# KiCad board vme-wren.kicad_pcb (continued)
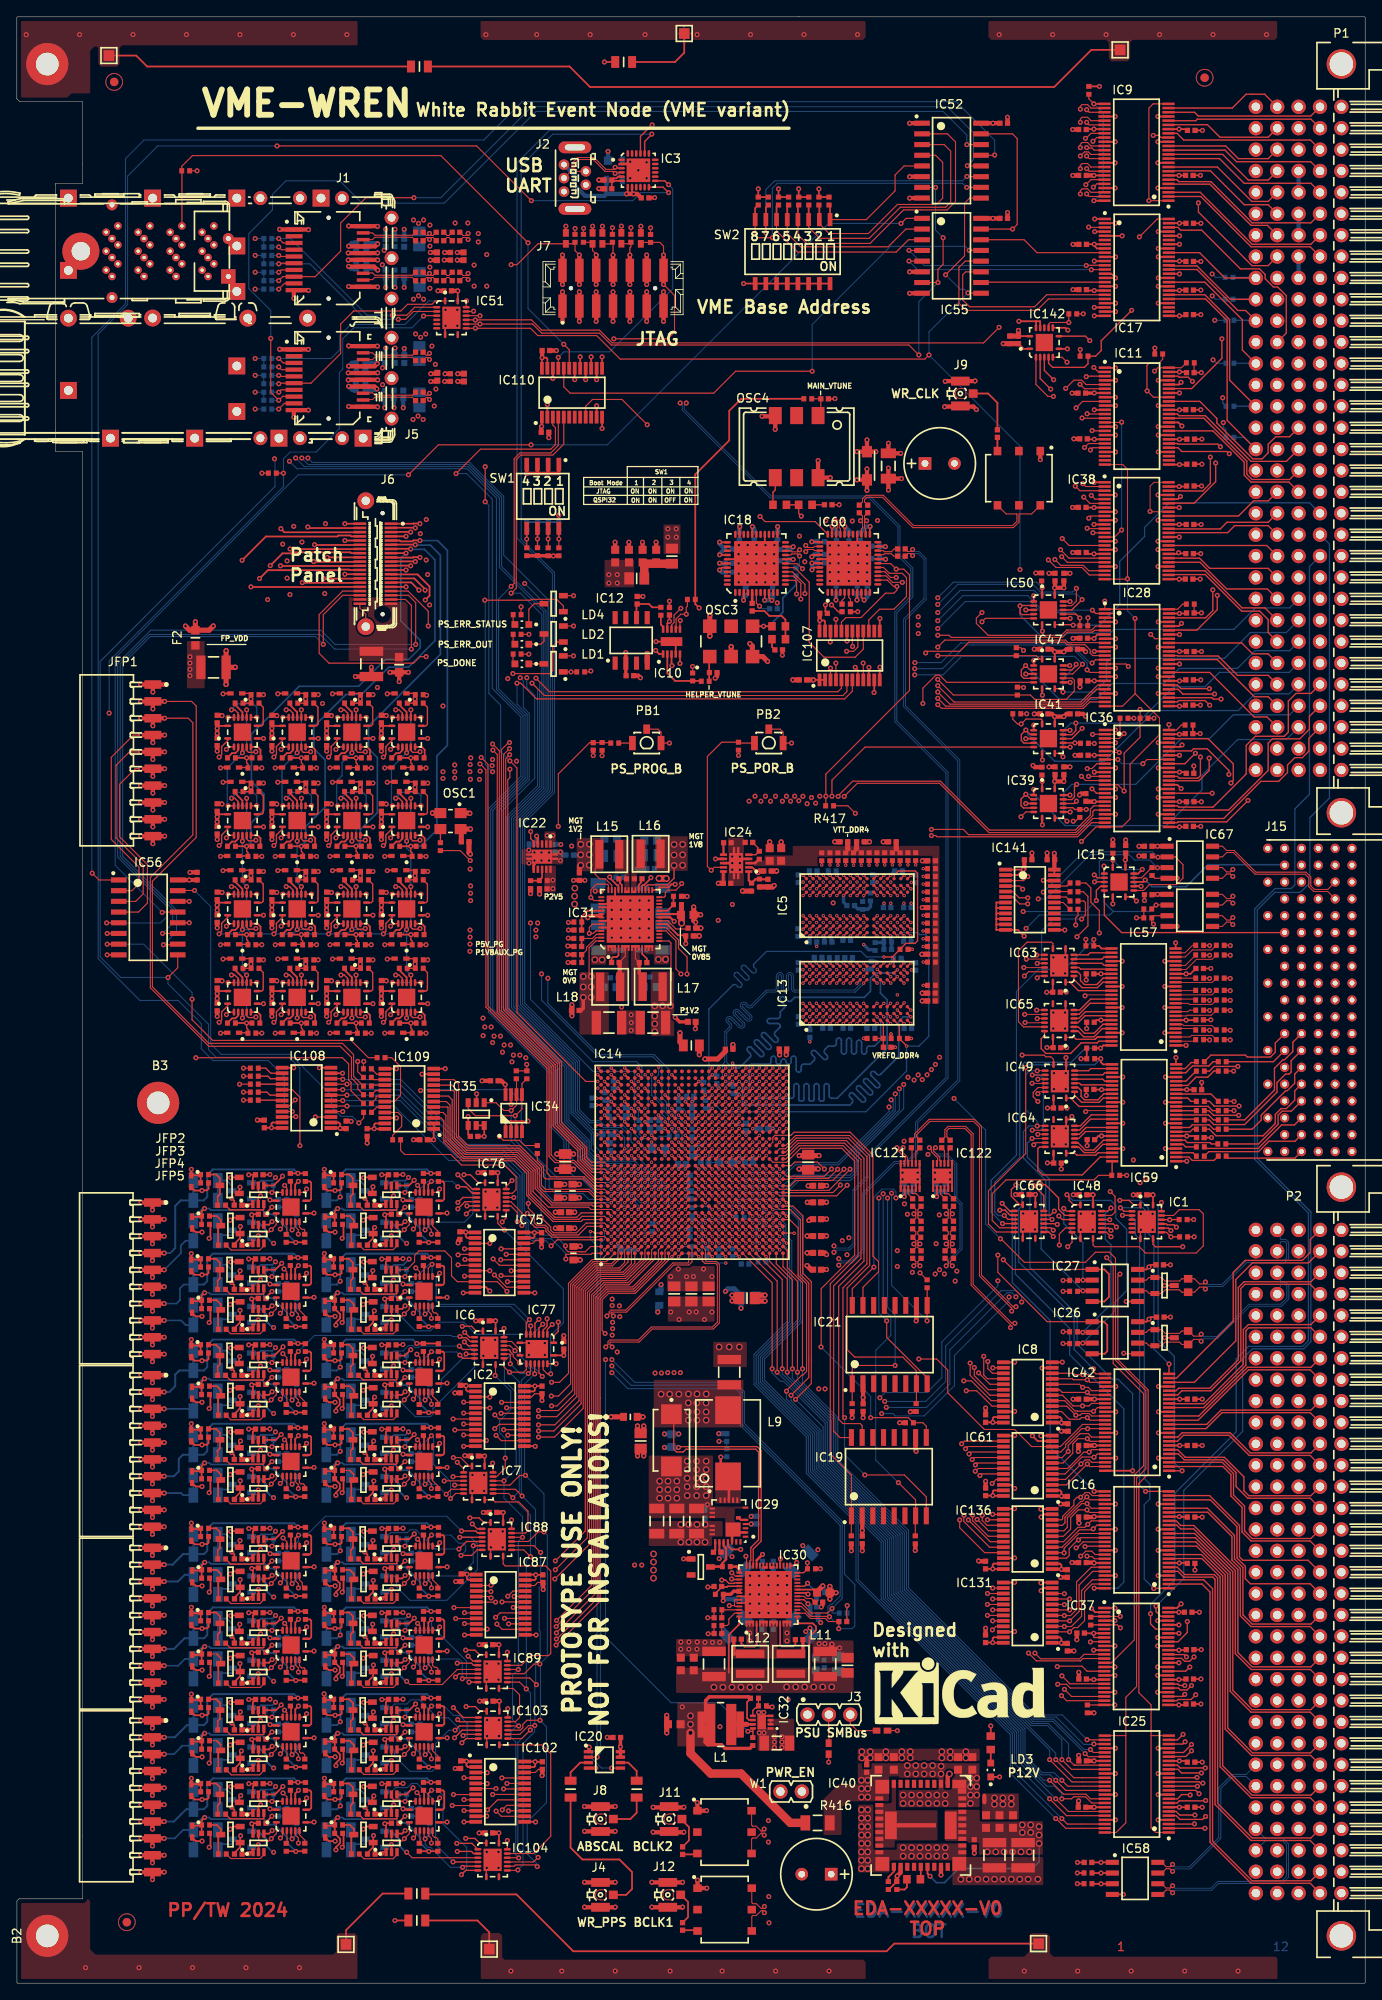
[diagram p0: board, top side]
## Routing (per net, layer and track width the routed paths; a pad name or vN(x,y) marks a point on that pad's centre or on a via; arc(x,y) is an arc through that point) (continued)
Net-(IC132-1Y): length 2.1
  Top Layer w0.2: IC132.3 39.29,125.39 38.95,125.05 38.56,125.05 38.02,124.51 R536.1
Net-(IC132-2Y): length 2.3
  Top Layer w0.2: IC132.6 41.59,125.79 41.93,125.45 41.93,124.57 R537.1
Net-(IC132-3Y): length 3.5
  Top Layer w0.15: R538.1 42.26,130.49 42.26,128.46 42.09,128.29 IC132.8
Net-(IC132-4Y): length 2.1
  Top Layer w0.2: R539.1 38.92,130.79 39.79,129.92 IC132.11
Net-(IC133-1Y): length 2.1
  Top Layer w0.2: IC133.3 45.79,125.39 45.45,125.05 45.06,125.05 44.52,124.51 R542.1
Net-(IC133-2Y): length 2.3
  Top Layer w0.2: IC133.6 48.09,125.79 48.43,125.45 48.43,124.57 R543.1
Net-(IC133-3Y): length 3.5
  Top Layer w0.15: R544.1 48.76,130.49 48.76,128.46 48.59,128.29 IC133.8
Net-(IC133-4Y): length 2.1
  Top Layer w0.2: IC133.11 46.29,129.92 45.42,130.79 R545.1
Net-(IC134-1Y): length 2.1
  Top Layer w0.2: R548.1 25.02,124.51 25.56,125.05 25.95,125.05 26.29,125.39 IC134.3
Net-(IC134-2Y): length 2.3
  Top Layer w0.2: R549.1 28.93,124.57 28.93,125.45 28.59,125.79 IC134.6
Net-(IC134-3Y): length 3.5
  Top Layer w0.15: IC134.8 29.09,128.29 29.26,128.46 29.26,130.49 R550.1
Net-(IC134-4Y): length 2.1
  Top Layer w0.2: IC134.11 26.79,129.92 25.92,130.79 R551.1
Net-(IC135-1Y): length 2.1
  Top Layer w0.2: IC135.3 32.79,125.39 32.45,125.05 32.06,125.05 31.52,124.51 R554.1
Net-(IC135-2Y): length 2.3
  Top Layer w0.2: R555.1 35.43,124.57 35.43,125.45 35.09,125.79 IC135.6
Net-(IC135-3Y): length 3.5
  Top Layer w0.15: R556.1 35.76,130.49 35.76,128.46 35.59,128.29 IC135.8
Net-(IC135-4Y): length 2.1
  Top Layer w0.2: R557.1 32.42,130.79 33.29,129.92 IC135.11
Net-(IC137-1Y): length 2.1
  Top Layer w0.2: IC137.3 26.29,146.39 25.95,146.05 25.56,146.05 25.02,145.51 R560.1
Net-(IC137-2Y): length 2.3
  Top Layer w0.2: IC137.6 28.59,146.79 28.93,146.44 28.93,145.56 R561.1
Net-(IC137-3Y): length 3.5
  Top Layer w0.15: IC137.8 29.09,149.29 29.26,149.46 29.26,151.49 R562.1
Net-(IC137-4Y): length 2.1
  Top Layer w0.2: IC137.11 26.79,150.91 25.92,151.78 R563.1
Net-(IC138-1Y): length 2.1
  Top Layer w0.2: IC138.3 32.79,146.39 32.45,146.05 32.06,146.05 31.52,145.51 R566.1
Net-(IC138-2Y): length 2.3
  Top Layer w0.2: IC138.6 35.09,146.79 35.43,146.44 35.43,145.56 R567.1
Net-(IC138-3Y): length 3.5
  Top Layer w0.15: IC138.8 35.59,149.29 35.76,149.46 35.76,151.49 R568.1
Net-(IC138-4Y): length 2.1
  Top Layer w0.2: IC138.11 33.29,150.91 32.42,151.78 R569.1
Net-(IC139-1Y): length 2.1
  Top Layer w0.2: IC139.3 45.79,146.39 45.45,146.05 45.06,146.05 44.52,145.51 R572.1
Net-(IC139-2Y): length 2.3
  Top Layer w0.2: R573.1 48.43,145.56 48.43,146.44 48.09,146.79 IC139.6
Net-(IC139-3Y): length 3.5
  Top Layer w0.15: R574.1 48.76,151.49 48.76,149.46 48.59,149.29 IC139.8
Net-(IC139-4Y): length 2.1
  Top Layer w0.2: IC139.11 46.29,150.91 45.42,151.78 R575.1
Net-(IC140-1Y): length 2.1
  Top Layer w0.2: IC140.3 39.29,146.39 38.95,146.05 38.56,146.05 38.02,145.51 R578.1
Net-(IC140-2Y): length 2.3
  Top Layer w0.2: R579.1 41.93,145.56 41.93,146.44 41.59,146.79 IC140.6
Net-(IC140-3Y): length 3.5
  Top Layer w0.15: R580.1 42.26,151.49 42.26,149.46 42.09,149.29 IC140.8
Net-(IC140-4Y): length 2.1
  Top Layer w0.2: R581.1 38.92,151.78 39.79,150.91 IC140.11
Net-(J1-RS0): length 2.8
  Top Layer w0.125: J1.7 31.38,203.41 v2(31.1,203.14)
  Bottom Layer w0.125: v2(31.1,203.14) R393.1
Net-(J1-RS1): length 2.9
  Top Layer w0.125: J1.9 31.78,201.81 v2(31.1,201.14)
  Bottom Layer w0.125: v2(31.1,201.14) R395.1
Net-(J4-Pad1): length 19
  Top Layer w0.2: J4.1 72.36,10.49 73.06,11.19 73.06,13.19 71.56,14.69 67.16,14.69 65.76,16.09 R39.2
Net-(J5-RS0): length 2.8
  Top Layer w0.125: v2(31.1,188.9) 31.38,189.17 J5.7
  Bottom Layer w0.125: v2(31.1,188.9) R18.1
Net-(J5-RS1): length 2.9
  Top Layer w0.125: J5.9 31.78,187.57 v2(31.1,186.9)
  Bottom Layer w0.125: v2(31.1,186.9) R17.1
Net-(J8-Pad1): length 4.9
  Top Layer w0.2: R38.2 73.61,20.24 72.86,19.49 J8.1
Net-(LD1-A): length 1.2
  Top Layer w0.125: 58.93,157.79 58.93,156.86 LD1.2
Net-(LD1-C): length 1.8
  Top Layer w0.125: T2.3 62.59,156.64 LD1.1
Net-(LD2-A): length 1.3
  Top Layer w0.125: LD2.2 58.94,159.19 R3.1
Net-(LD2-C): length 2.8
  Top Layer w0.125: T3.3 62.6,159.34 62.25,158.99 60.8,158.99
Net-(LD3-A): length 1.6
  Top Layer w0.2: LD3.2 R251.2
Net-(LD4-A): length 1.3
  Top Layer w0.125: R4.1 58.94,161.53 LD4.2
Net-(LD4-C): length 3.9
  Top Layer w0.125: T4.3 61.45,163.79 60.8,163.14 60.8,161.34
Net-(OSC1-OUT): length 1.6
  Top Layer w0.15: R27.1 OSC1.3
Net-(OSC4-OUT): length 3.3
  Top Layer w0.15: OSC4.4 90.07,177.3 89.8,177.02 R199.1
Net-(OSC4-VDD): length 11.4
  Top Layer w0.5: C116.2 105.06,178.64 v2(105.06,178.64) ; C116.2 103.5,177.3 v2(103.51,177.29) ; C116.2 103.5,179.87 v2(103.51,179.89) ; v2(100.96,177.24) 100.96,177.24 L7.2 ; L7.2 99.77,178.49 v2(99.76,178.49) ; L7.2 100.96,179.78 v2(100.96,179.79) ; v2(96.61,178.74) 96.6,178.75 OSC4.6 95.15,180.78 v2(95.16,180.79)
Net-(PB1-Pad2): length 1.6
  Top Layer w0.125: R191.2 PB1.2
Net-(R165-Pad2): length 2.3
  Top Layer w0.2: R165.2 105.43,11.12 105.7,11.39 R181.1
Net-(T5-D): length 4.9
  Bottom Layer w0.2: R477.1 R476.1 40.73,95.3 41.36,94.66 T5.3
Net-(T7-D): length 4.9
  Bottom Layer w0.2: R479.1 R478.1 24.93,95.3 25.56,94.66 T7.3
Net-(T9-D): length 4.9
  Bottom Layer w0.2: T9.3 25.56,84.66 24.93,85.3 R481.1 R480.1
Net-(T11-D): length 4.9
  Bottom Layer w0.2: T11.3 41.36,84.66 40.73,85.3 R482.1 R483.1
Net-(T13-D): length 4.9
  Bottom Layer w0.2: R485.1 R484.1 40.73,65.1 41.36,64.46 T13.3
Net-(T15-D): length 4.9
  Bottom Layer w0.2: T15.3 25.56,74.46 24.93,75.1 R486.1 R487.1
Net-(T19-D): length 4.9
  Bottom Layer w0.2: R488.1 R489.1 40.73,75.1 41.36,74.46 T19.3
Net-(T21-D): length 4.9
  Bottom Layer w0.2: R490.1 R491.1 24.93,65.1 25.56,64.46 T21.3
Net-(T23-D): length 4.9
  Bottom Layer w0.2: T23.3 41.37,52.66 40.74,53.29 R492.1 R493.1
Net-(T25-D): length 4.9
  Bottom Layer w0.2: T25.3 25.57,42.66 24.94,43.29 R495.1 R494.1
Net-(T27-D): length 4.9
  Bottom Layer w0.2: R497.1 R496.1 24.94,53.29 25.57,52.66 T27.3
Net-(T29-D): length 4.9
  Bottom Layer w0.2: R498.1 R499.1 40.74,43.29 41.37,42.66 T29.3
Net-(T31-D): length 4.9
  Bottom Layer w0.2: T31.3 25.57,32.36 24.94,32.99 R500.1 R501.1
Net-(T35-D): length 4.9
  Bottom Layer w0.2: R503.1 R502.1 24.94,22.99 25.57,22.36 T35.3
Net-(T37-D): length 4.9
  Bottom Layer w0.2: T37.3 41.37,22.36 40.74,22.99 R505.1 R504.1
Net-(T39-D): length 4.9
  Bottom Layer w0.2: R507.1 R506.1 40.74,32.99 41.37,32.36 T39.3
Net-(T40-D): length 4.5
  Bottom Layer w0.2: 39.72,88.81 41.29,88.81 41.38,88.91 T40.3 ; R454.1 R41.1
Net-(T41-D): length 4.5
  Bottom Layer w0.2: 23.92,88.81 25.49,88.81 25.58,88.91 T41.3 ; R457.1 R135.1
Net-(T42-D): length 4.5
  Bottom Layer w0.2: T42.3 25.58,78.91 25.49,78.81 23.92,78.81 ; R149.1 R459.1
Net-(T43-D): length 4.5
  Bottom Layer w0.2: T43.3 41.38,78.91 41.29,78.81 39.72,78.81 ; R461.1 R172.1
Net-(T44-D): length 4.5
  Bottom Layer w0.2: 39.72,58.61 41.29,58.61 41.38,58.71 T44.3 ; R464.1 R268.1
Net-(T45-D): length 4.5
  Bottom Layer w0.2: 23.92,68.61 25.49,68.61 25.58,68.71 T45.3 ; R465.1 R282.1
Net-(T46-D): length 4.5
  Bottom Layer w0.2: 39.72,68.61 41.29,68.61 41.38,68.71 T46.3 ; R466.1 R296.1
Net-(T47-D): length 4.5
  Bottom Layer w0.2: T47.3 25.58,58.71 25.49,58.61 23.92,58.61 ; R467.1 R310.1
Net-(T48-D): length 4.5
  Bottom Layer w0.2: 39.73,46.81 41.3,46.81 41.39,46.9 T48.3 ; R468.1 R324.1
Net-(T49-D): length 4.5
  Bottom Layer w0.2: 23.93,36.81 25.5,36.81 25.59,36.9 T49.3 ; R338.1 R469.1
Net-(T50-D): length 4.5
  Bottom Layer w0.2: R352.1 R470.1 ; 23.93,46.81 25.5,46.81 25.59,46.9 T50.3
Net-(T51-D): length 4.5
  Bottom Layer w0.2: 39.73,36.81 41.3,36.81 41.39,36.9 T51.3 ; R471.1 R366.1
Net-(T52-D): length 4.5
  Bottom Layer w0.2: 23.93,26.51 25.5,26.51 25.59,26.6 T52.3 ; R380.1 R472.1
Net-(T53-D): length 4.5
  Bottom Layer w0.2: T53.3 25.59,16.6 25.5,16.51 23.93,16.51 ; R411.1 R473.1
Net-(T54-D): length 4.5
  Bottom Layer w0.2: 39.73,16.51 41.3,16.51 41.39,16.6 T54.3 ; R474.1 R425.1
Net-(T55-D): length 4.5
  Bottom Layer w0.2: R439.1 R475.1 ; 39.73,26.51 41.3,26.51 41.39,26.6 T55.3
Net-(TR1-PDOT): length 1.8
  Top Layer w0.2: C478.2 80.71,15.29 TR1.3
Net-(TR2-PDOT): length 1.6
  Top Layer w0.2: C247.2 116.45,181.92 TR2.3
Net-(TR3-PDOT): length 1.8
  Top Layer w0.2: C485.2 80.75,6.29 TR3.3
unconnected-(IC14L-PS_MGTRTXN1_505-PadD24): length 0
  Top Layer w0.15: IC14.D24 71.79,105.06
unconnected-(IC14L-PS_MGTRTXP1_505-PadD23): length 0
  Top Layer w0.15: IC14.D23 71.79,104.26
unconnected-(J7-Pad12): length 3.5
  Top Layer w0.5: v2(74.8,205.19) 74.8,205.19 J7.12 74.8,201.69 v2(74.8,201.69)

## Copper pours and planes (outline as drawn; the poured copper is in the pictures)
5VREG on Top Layer: 82.95,28.1 78.44,28.1 78.44,33.38 82.95,33.38
5VREG on L3: 64.56,132.24 81.06,132.24 81.06,128.99 75.81,128.99 75.81,123.99 72.31,120.49 64.56,120.49
5VREG on L8: 74.26,55.24 74.26,26.94 95.96,26.94 95.96,55.24
5VREG on L10: 60.46,137.49 66.56,137.49 66.6,119.8 66.7,130.47 66.7,114.69 63.31,114.66 63.31,94.89 73.06,85.14 73.06,58.99 77.26,54.79 77.26,46.14 71.06,46.14 71.06,82.94 60.46,93.54
GND on Top Layer: 82.68,55.22 75.04,55.22 75.04,62.64 82.68,62.64
GND on Top Layer: 99.85,26.39 114.35,26.39 114.35,27.79 114.3,27.84 99.85,27.84
GND on Top Layer: 90.32,27.61 88.91,27.61 88.91,30.38 90.32,30.38
GND on Top Layer: 111.1,13.34 111.1,14.59 103.75,14.59 103.75,13.14 101.95,13.14 101.95,15.84 104.5,15.84 104.5,16.59 112.75,16.59 112.75,13.34
GND on Top Layer: 64.88,134.62 64.88,132.83 59.92,132.83 59.92,134.62
GND on Top Layer: 84.47,130.28 84.47,136.01 86.36,136.01 86.36,130.28
GND on Top Layer: 99.37,37.99 94.49,37.99 94.49,40.69 99.37,40.69
GND on Top Layer: 101.95,13.14 99.9,13.14 99.9,21.19 101.95,21.19
GND on Top Layer: 85.27,52.96 84.11,52.96 84.11,56.45 85.27,56.45
GND on Top Layer: 82.7,76.14 82.7,73.14 86.7,73.14 86.7,76.14
GND on Top Layer: 111.1,14.99 111.1,11.69 111.15,11.64 121.85,11.64 121.9,11.69 121.9,14.84 121.75,14.99
GND on Top Layer: 82.68,55.22 85.2,55.22 85.2,56.34 86.8,56.34 86.86,56.4 86.86,56.58 82.54,56.58 82.5,56.54 82.5,55.39
GND on Top Layer: 114.63,19.44 114.63,22.54 119,22.54 119,19.44
GND on Top Layer: 71.68,115.49 74.09,115.49 74.09,112.7 71.68,112.7
GND on Top Layer: 84.17,38.82 78.29,38.82 78.29,40.86 84.17,40.86
GND on Top Layer: 88.96,27.61 87.95,27.61 87.95,32.35 88.96,32.35
GND on Top Layer, Bottom Layer: 77.3,81.54 77.3,78.54 83.1,78.54 83.1,81.54
GND on Bottom Layer: 81.64,86.65 86.34,86.65 86.35,86.64 86.35,84.99 84.6,84.99 83.9,85.69 81.65,85.69 81.64,85.7
GND on Bottom Layer: 93.96,39.64 95.36,41.04 98.46,41.04 98.46,37.94 93.96,37.94
GND on Bottom Layer: 86.19,48.12 86.47,47.84 86.47,44.62 86.06,44.21 86.06,43.94 87.16,42.84 87.24,42.84 87.47,43.07 91.1,43.07 91.33,42.84 91.76,42.84 92.56,43.64 92.56,44.15 92.31,44.41 92.31,47.93 92.71,48.33 91.44,49.61 91.04,49.2 87.66,49.2 87.32,49.54 86.96,49.54 86.19,48.76
GND on Bottom Layer: 74.17,129.16 75.67,129.16 75.67,127.58 77.6,127.58 77.6,125.09 75.67,125.09 75.67,123.56 74.17,123.56 74.17,112.75 71.65,112.75 71.65,123.56 70.06,123.56 70.06,125.09 68.13,125.09 68.13,127.58 70.06,127.58 70.06,129.16 71.65,129.16 71.65,136.11 74.17,136.11
GND on L2GND, L4GND, L9GND, L11GND: 0.01,233.46 160.11,233.46 160.11,0.01 0.01,0.01 0.01,9.76 0.26,10.01 7.81,10.01 7.81,181.89 4.61,181.89 4.56,181.94 4.56,213.66 4.59,213.69 7.81,213.69 7.81,223.39 0.34,223.39 -0.01,223.74 -0.01,233.44
GNDA on L3: 112.06,25.84 112.06,10.24 102.56,10.24 102.56,14.74 109.06,14.74 109.06,25.74 109.17,25.84
P0V85 on Top Layer: 86.29,65.98 75.63,65.98 75.63,71.64 86.29,71.64
P0V85 on Top Layer, Bottom Layer: 77.2,85.14 77.2,82.14 83,82.14 83,85.14
P0V85 on L10: 73.15,103.24 92.89,103.24 92.89,62.64 73.15,62.64
P0V85 on L10: 73.71,103.24 63.51,103.24 63.51,94.94 73.26,85.19 73.81,85.19 73.81,103.14
P1V2 on Top Layer: 75.29,120.11 78.06,120.11 78.06,112.44 75.29,112.44
P1V2 on Bottom Layer: 75.1,112.14 78.1,112.14 78.1,119.94 75.1,119.94
P1V2 on L6PWR: 75.3,120.24 85.3,120.24 85.3,135.74 114.8,135.74 114.8,97.74 79.3,97.74 79.3,112.24 75.3,112.24
P1V8 on Top Layer: 99.37,34.46 78.29,34.46 78.29,37.46 99.37,37.46
P1V8 on Bottom Layer: 78.26,34.44 99.36,34.44 99.36,37.54 78.26,37.54
P1V8 on L7PWR: 160.06,232.79 160.06,-0.01 0.06,-0.01 0.06,9.74 0.31,9.99 7.81,9.99 7.81,232.79
P2V5 on Top Layer: 64.03,132.69 64.03,129.52 62.63,129.52 62.63,132.69
P2V5 on L7PWR: 108.46,134.14 108.46,112.54 90.06,112.54 90.06,128.54 60.06,128.54 60.06,134.14
P3V3 on Top Layer: 76.81,173.19 76.81,169.69 78.81,169.69 78.81,173.19
P3V3 on Top Layer: 110.2,20.59 114.35,20.59 114.35,19.24 121.85,19.24 121.85,15.19 121.75,15.09 114.25,15.09 114.25,16.64 113,16.64 112.75,16.89 110.2,16.89
P3V3 on Top Layer: 63.99,136.76 63.99,134.81 62.65,134.81 62.65,136.76
P3V3 on Bottom Layer: 48.85,187.66 46.65,187.66 46.65,185.26 48.85,185.26
P3V3 on Bottom Layer: 46.75,193.81 48.95,193.81 48.95,196.21 46.75,196.21
P3V3 on Bottom Layer: 48.9,201.94 46.7,201.94 46.7,199.54 48.9,199.54
P3V3 on Bottom Layer: 46.5,207.34 48.7,207.34 48.7,209.74 46.5,209.74
P3V3 on L6PWR: 160.06,233.19 160.06,-0.01 0.06,-0.01 0.06,9.74 0.31,9.99 7.81,9.99 7.81,233.19
P3V3_CLK on Top Layer: 69.8,165.74 73.3,165.74 73.3,168.99 69.8,168.99
P3V3_CLK on L5: 107.8,175.74 79.55,175.74 79.55,169.49 69.3,169.49 69.3,153.74 107.8,153.74
P5V_VME on Top Layer: 100.3,21.59 98.7,21.59 97.95,20.84 97.95,17.59 95.8,17.59 95.8,21.84 97.55,23.59 101.4,23.59 101.4,22.69
P5V_VME on Top Layer: 114.33,26.14 114.33,20.89 104.73,20.89 104.73,24.54 103.68,24.54 103.58,24.44 103.58,21.69 103.48,21.59 99.88,21.59 99.88,26.14
P5V_VME on L8: 19.3,162.24 19.3,159.49 39.3,159.49 44.8,153.99 53.05,153.99 55.55,156.49 104.05,156.49 107.55,159.99 107.55,162.74 106.3,162.74 103.05,159.49 54.3,159.49 51.8,156.99 46.3,156.99 41.05,162.24
P5V_VME on L10: 106.1,162.74 106.1,155.54 153.3,155.54 153.3,144.64 160.3,144.64 160.3,162.74
P5V_VME on L10: 98.39,28.75 142.3,28.75 142.3,145.24 160.3,145.24 160.3,3.74 95.03,3.74 95.03,25.39
P12V on Top Layer: 68.2,122.42 69.98,122.42 69.98,120.92 68.2,120.92
P12V on Top Layer: 75.65,123.24 77.46,123.24 77.46,120.96 75.65,120.96
P12V on Top Layer: 82.56,51.91 75.04,51.91 75.04,54.86 82.56,54.86
P12V on Top Layer: 91.89,40.27 91,40.27 91,43 91.89,43
P12V on Top Layer: 87.52,40.27 86.6,40.27 86.6,43 87.52,43
P12V on Top Layer: 83.84,53.02 82.34,53.02 82.34,54.86 83.84,54.86
P12V on Top Layer: 91.28,30.59 89.16,30.59 89.16,31.39 91.28,31.39
P12V on Top Layer: 68.18,123.26 71.15,123.26 71.15,122.09 68.18,122.09
P12V on Top Layer: 92.31,27.62 90.54,27.62 90.54,31.38 92.31,31.38
P12V on Top Layer: 74.55,123.23 77.32,123.23 77.32,122.16 74.55,122.16
P12V on Bottom Layer: 68.1,123.34 68.1,120.84 71.4,120.84 71.4,123.34
P12V on Bottom Layer: 84.53,52.33 94.07,52.33 94.56,51.84 95.26,51.84 95.66,51.44 95.66,50.54 95.06,49.94 83.36,49.94 82.76,50.54 82.76,50.56
P12V on Bottom Layer: 84.08,42.22 84.46,41.84 93.16,41.84 93.96,42.64 94.36,42.64 95.37,41.63 95.37,41.34 93.77,39.74 84.94,39.74 83.26,41.41
P12V on Bottom Layer: 77.7,120.84 77.7,123.34 74.4,123.34 74.4,120.84
P12V on Bottom Layer: 74.5,131.84 74.5,129.34 77.8,129.34 77.8,131.84
P12V on Bottom Layer: 68,131.84 68,129.34 71.4,129.34 71.4,131.84
P12V on L10: 66.81,141.49 77.51,152.19 85.56,152.19 88.61,155.24 126.06,155.24 126.06,145.74 90.06,145.74 81.81,137.49 81.81,119.99 66.81,119.99
P12V on L10: 97.8,24.74 74.3,24.74 74.3,55.24 113.3,55.24 124.5,66.43 124.5,155.05 124.3,155.24 153.05,155.24 153.05,145.74 141.9,145.74 141.8,145.64 141.8,29.24 97.8,29.24
VCC_PSADC on Bottom Layer: 76.52,99.56 76.52,95.68 77.76,94.44 79.44,94.44 79.71,94.7 80.33,94.7 80.33,95.32 80.11,95.54 78.46,95.54 77.77,96.23 77.77,99.56
VCC_PSDDR_PLL on Bottom Layer: 79.96,100.99 82.06,100.99 82.14,100.91 82.14,97.46 83.9,97.46 83.9,101.55 83.56,101.89 79.96,101.89
VCC_PSPLL on L3: 82.26,101.14 82.26,85.64 87.06,80.84 87.06,69.14 96.56,59.64 96.56,45.6 94.45,45.6 93.34,46.71 93.34,58.46 79.98,71.82 79.98,101.12 79.98,101.14
/fp_connectors/FP_VDD on Top Layer: 20.2,159.34 22.3,159.34 22.3,153.74 20.2,153.74
/fp_connectors/FP_VDD on Bottom Layer: 16.11,159.38 22.33,159.38 22.33,134.38 16.11,134.38
/PP_VDD on Top Layer: 46.4,164.54 46.4,156.84 39.4,156.84 39.4,164.54
/SFP0/SFP_VCCR on Bottom Layer: 38.8,190.69 43.55,190.69 44.05,190.19 48.5,190.19 48.5,189.24 38.8,189.24
/SFP0/SFP_VCCT on Bottom Layer: 38.8,190.94 43.55,190.94 44.05,191.44 48.5,191.44 48.5,192.39 38.8,192.39
/SFP1/SFP_VCCR on Bottom Layer: 38.81,204.89 43.56,204.89 44.06,204.39 48.51,204.39 48.51,203.44 38.81,203.44
/SFP1/SFP_VCCT on Bottom Layer: 38.8,205.14 43.55,205.14 44.05,205.64 48.5,205.64 48.5,206.59 38.8,206.59
/STRIP1_H on Top Layer, Bottom Layer: 115.39,233.27 149.68,233.27 149.68,231.05 149.37,230.73 132.54,230.73 132.22,230.41 132.22,228.51 131.9,228.19 130,228.19 129.68,228.51 129.68,230.41 129.36,230.73 115.71,230.73 115.39,231.05
/STRIP1_H on Bottom Layer: 115.39,233.26 149.68,233.26 149.68,231.04 149.37,230.72 115.71,230.72 115.39,231.04
/STRIP1_L on Top Layer, Bottom Layer: 115.4,-0.06 115.4,2.84 115.7,3.14 119.6,3.14 120.2,3.74 120.2,5.64 120.5,5.94 122.3,5.94 122.7,5.54 122.7,3.54 123.1,3.14 149.5,3.14 149.7,2.94 149.7,-0.06
/STRIP2_H on Top Layer, Bottom Layer: 55.07,233.26 100.79,233.26 100.79,231.04 100.47,230.72 55.39,230.72 55.08,231.03
/STRIP2_L on Top Layer, Bottom Layer: 55.1,0.24 100.82,0.24 100.82,2.46 100.51,2.78 57.96,2.78 57.64,3.1 57.64,5.64 57.33,5.96 55.42,5.96 55.1,5.64
CHASSIS on Top Layer, Bottom Layer: 0.14,223.73 5.86,223.73 6.49,224.37 8.71,224.37 8.71,229.45 9.19,229.93 9.51,229.93 9.67,229.77 9.67,227.86 9.98,227.54 11.89,227.54 12.21,227.86 12.21,229.77 12.52,230.08 40.46,230.08 40.46,233.26 0.14,233.26
CHASSIS on Top Layer, Bottom Layer: 0.13,10.38 8.07,10.38 8.7,9.75 8.7,4.03 9.34,3.4 37.6,3.4 37.91,3.71 37.91,5.62 38.23,5.94 40.14,5.94 40.45,5.62 40.45,0.22 0.13,0.22
CHASSIS on Bottom Layer: 0.14,223.74 5.86,223.74 6.49,224.37 8.71,224.37 8.71,229.45 9.35,230.09 40.15,230.09 40.46,230.4 40.46,233.26 0.14,233.26
CHASSIS on L8: 0.3,233.49 22.8,233.49 23.05,233.24 23.05,169.49 14.3,160.74 14.3,-0.01 0.05,-0.01 0.05,9.99 7.8,9.99 7.8,223.49 0.3,223.49 0.05,223.74 0.05,233.24
MGT_0V9 on Top Layer: 66.81,120.05 70.31,120.05 70.31,112.63 66.81,112.63
MGT_0V9 on Bottom Layer: 70.47,116.14 66.5,116.14 66.5,120.34 70.46,120.34 70.47,120.33
MGT_0V9 on Bottom Layer: 82.55,88.99 85.55,88.99 85.55,86.99 82.66,86.99 82.55,87.1
MGT_0V9 on L8: 85.46,87.86 85.46,101.79 71.86,115.39 71.86,122.34 66.66,122.34 65.66,121.34 65.66,116.74 82.59,99.81 82.59,87.86
MGT_0V85 on L3: 76.06,128.74 81.06,128.74 81.06,123.14 72.99,115.06 72.99,103.06 72.47,102.54 70.26,102.54 69.06,103.74 69.06,116.94 76.06,123.94
MGT_1V2 on Top Layer: 66.49,135.98 69.67,135.98 69.67,132.02 66.49,132.02
MGT_1V2 on Bottom Layer: 66.51,136.01 69.79,136.01 69.79,132.07 66.51,132.07
MGT_1V2 on L8: 82.46,85.34 77.45,85.34 77.45,97.32 77.46,97.34 77.46,98.34 58.46,117.34 58.46,127.54 58.66,127.74 63.66,127.74 65.26,129.34 65.26,136.34 65.66,136.74 70.66,136.74 70.66,122.54 70.46,122.34 66.58,122.34 65.55,121.3 65.55,116.85 82.59,99.81 82.59,85.46
MGT_1V8 on Top Layer: 75.79,136.18 79.67,136.18 79.67,132.07 75.79,132.07
MGT_1V8 on Bottom Layer: 75.81,136.17 79.69,136.17 79.69,132.07 75.81,132.07
MGT_1V8 on Bottom Layer: 82.15,89.14 85.75,89.14 85.75,85.1 85.73,85.08 85.77,85.04 87.4,85.04 87.4,90.25 87.06,90.59 82.15,90.59
MGT_1V8 on L6PWR: 80.66,137.14 80.66,126.14 78.46,123.94 71.26,123.94 71.26,112.28 73.5,110.04 73.5,105.98 73.46,105.94 73.46,102.54 76.46,99.54 79.26,99.54 79.3,99.49 79.3,97.74 79.31,97.74 85.26,97.74 85.46,97.54 85.46,83.34 79.39,83.34 79.39,92.66 78.59,93.46 75.39,93.46 73.79,95.06 73.79,97.01 67.86,102.94 67.86,111.14 65.06,111.14 65.06,137.14
PSADC_AGND on L5: 82.36,102.74 86.81,102.74 86.81,97.84 83.26,97.84 82.06,96.64 82.06,94.49 78.81,94.49 78.81,96.99 82.36,100.54
PSADC_AGND on L5: 83.8,102.44 83.8,110.99 83.75,111.04 80.5,111.04 80.5,110.19 82.35,108.34 82.35,102.74 82.36,102.74 82.66,102.44
VTT_DDR4-PS on Top Layer: 92.16,135.04 109.06,135.04 109.06,133.84 92.16,133.84
VTT_DDR4-PS on Top Layer: 87.51,132.64 87.51,133.28 89.07,133.28 89.07,132.64
VTT_DDR4-PS on Top Layer: 88.79,132.64 88.79,133.9 96.96,133.9 96.96,132.64
VTT_DDR4-PS on Top Layer: 108.73,135.04 109.58,135.04 109.58,116.28 108.73,116.28
Net-(C120-Pad1) on Top Layer: 72.16,135.78 72.76,135.78 72.76,129.43 72.16,129.43
Net-(C120-Pad1) on Top Layer: 71.04,135.78 72.28,135.78 72.28,131.76 71.04,131.76
Net-(C282-Pad1) on Top Layer: 90.32,38.52 89.4,38.52 89.4,42.93 90.32,42.93
Net-(C282-Pad1) on Top Layer: 93.69,38.52 89.4,38.52 89.4,39.71 93.69,39.71
Net-(C289-Pad1) on Top Layer: 89.11,38.52 88.19,38.52 88.19,42.93 89.11,42.93
Net-(C289-Pad1) on Top Layer: 89.11,38.52 84.81,38.52 84.81,39.71 89.11,39.71
Net-(C298-Pad1) on Top Layer: 73.29,135.81 74.82,135.81 74.82,131.76 73.29,131.76
Net-(C298-Pad1) on Top Layer: 72.96,135.81 73.62,135.81 73.62,129.43 72.96,129.43
Net-(C299-Pad1) on Top Layer: 73.99,116.61 72.94,116.61 72.94,123.25 73.99,123.25
Net-(C300-Pad1) on Top Layer: 72.66,116.62 71.7,116.62 71.7,123.25 72.66,123.25
Net-(IC29-SW-Pad10) on Top Layer: 85.99,56.96 82.95,56.96 82.95,58.94 85.99,58.94
Net-(IC40-PH-Pad10) on Top Layer: 103.9,24.14 104.4,24.14 104.4,20.54 109.33,20.54 109.33,16.94 104.28,16.94 104.28,16.09 101.95,16.09 101.95,21.39 103.9,21.39
Net-(OSC4-VDD) on L3: 94.31,176.24 108.96,176.24 108.96,184.49 94.31,184.49

Small or netless copper shapes (teardrops, artwork), in the pictures only: 1 on Top Layer

## Text on the board
Bottom Layer: 12 | EDA-XXXXX-V0 / BOT
Bottom Overlay: SFP0_TXDIS | SFP0_SDA / SFP0_SCL | SFP1_TXDIS | SFP1_SDA / SFP1_SCL | PS_UART_TXD | PS_UART_RXD | PL_UART_RXD | PL_UART_TXD
User.Comments: Top Overlay | Top Paste | Top Solder | Top Layer | Dielectric 1 | L2GND | Dielectric 2 | L3 | Dielectric 3 | L4GND | Dielectric 4 | L5 | Dielectric 5 | L6PWR | Dielectric 6 | L7PWR | Dielectric 7 | L8 | Dielectric 8 | L9GND | Dielectric 9 | L10 | Dielectric 10 | L11GND | Dielectric 11 | Bottom Layer | Bottom Solder | Bottom Paste | Bottom Overlay | Top Silk Screen | Top Solder Paste | Top Solder Mask | copper | prepreg | core | Bottom Solder Mask | Bottom Solder Paste | Bottom Silk Screen | Not specified | IS400 2116 | IS400 1x7628 | IS400 1x2116 | 0 mm | 0.01 mm | 0.018 mm | 0.119 mm | 0.203 mm | 0.035 mm | 0.1 mm | 1 | 3.3 | 4.1 | 4.4 | 4.22 | 0 | 0.02 | Layer Name | Type | Material | Thickness (mm) | Color | Epsilon R | Loss Tangent | Impedance controlled layers: Top, L3, L5, L8, L10, Bottom: / 100 Ohm differential: / - Top/Bottom: 0.115 mm width / 0.1 mm gap / - Inner (L3/L5/L8/10): 0.1mm width/ 0.16mm gap / 50 Ohm single-ended: / - Top/Bottom: 0.2mm width / - Inner: 0.11mm width / NOTE! The IS400 substrate and exact stackup is not obligatory. Permitted changes are: / - Any FR4 with simimilar Er/Dk and loss factor <= 0.02. / - Stackup thickness can be adjusted to meet the impedance requirements if the material is to be changed. / Permitted final board thickness between 1.5 and 2.0 mm.
User.Eco1: Top Overlay | Top Paste | Top Solder | Top Layer | Dielectric 1 | L2GND | Dielectric 2 | L3 | Dielectric 3 | L4GND | Dielectric 4 | L5 | Dielectric 5 | L6PWR | Dielectric 6 | L7PWR | Dielectric 7 | L8 | Dielectric 8 | L9GND | Dielectric 9 | L10 | Dielectric 10 | L11GND | Dielectric 11 | Bottom Layer | Bottom Solder | Bottom Paste | Bottom Overlay | Top Silk Screen | Top Solder Paste | Top Solder Mask | copper | prepreg | core | Bottom Solder Mask | Bottom Solder Paste | Bottom Silk Screen | Not specified | IS400 2116 | IS400 1x7628 | IS400 1x1652 | 0 mm | 0.01 mm | 0.018 mm | 0.119 mm | 0.203 mm | 0.035 mm | 0.1 mm | 1 | 3.3 | 4.1 | 4.4 | 4.22 | 0 | 0.02 | Layer Name | Type | Material | Thickness (mm) | Color | Epsilon R | Loss Tangent
Top Layer: 1 | PP/TW 2024 | EDA-XXXXX-V0 / TOP
Top Overlay: Boot Mode | QSPI32 | JTAG | ON | 1 | 2 | SW1 | OFF | 3 | 4 | FP_VDD | P5V_PG | P1V8AUX_PG | P2V5 | MGT / 0V9 | MGT / 1V2 | P1V2 | HELPER_VTUNE | MGT / 1V8 | MGT / 0V85 | MAIN_VTUNE | VTT_DDR4 | VREF0_DDR4 | PS_DONE | PS_ERR_STATUS | PS_ERR_OUT | ABSCAL | WR_PPS | PS_PROG_B | BCLK2 | BCLK1 | PS_POR_B | PWR_EN | PSU SMBus | WR_CLK | P12V | Patch / Panel | White Rabbit Event Node (VME variant) | USB / UART | VME Base Address | Designed / with | PROTOTYPE USE ONLY! / NOT FOR INSTALLATIONS! | VME-WREN
L2GND: 2
L3: 3
L4GND: 4
L5: 5
L6PWR: 6
L7PWR: 7
L8: 8
L9GND: 9
L10: 10
L11GND: 11
Notvisible: 32 | 1 | d | c | b | a | z | 244.54,117.565 (mm) | 401.78,234.24 (mm) | P2 | P1 | GRID ORG
